# Altium PCB dvrk-s-pwm.PcbDoc (part 1 of 5)
Units mm, origin at the board's own origin, x right, y up, seen from the top; angles counter-clockwise.
Board outline 124 x 180 mm, 4 copper layers (Component Side, Ground Plane, Power Plane, Solder Side), stack 1.584 mm thick; 325 components, 238 nets, 1291 pads, 758 vias.
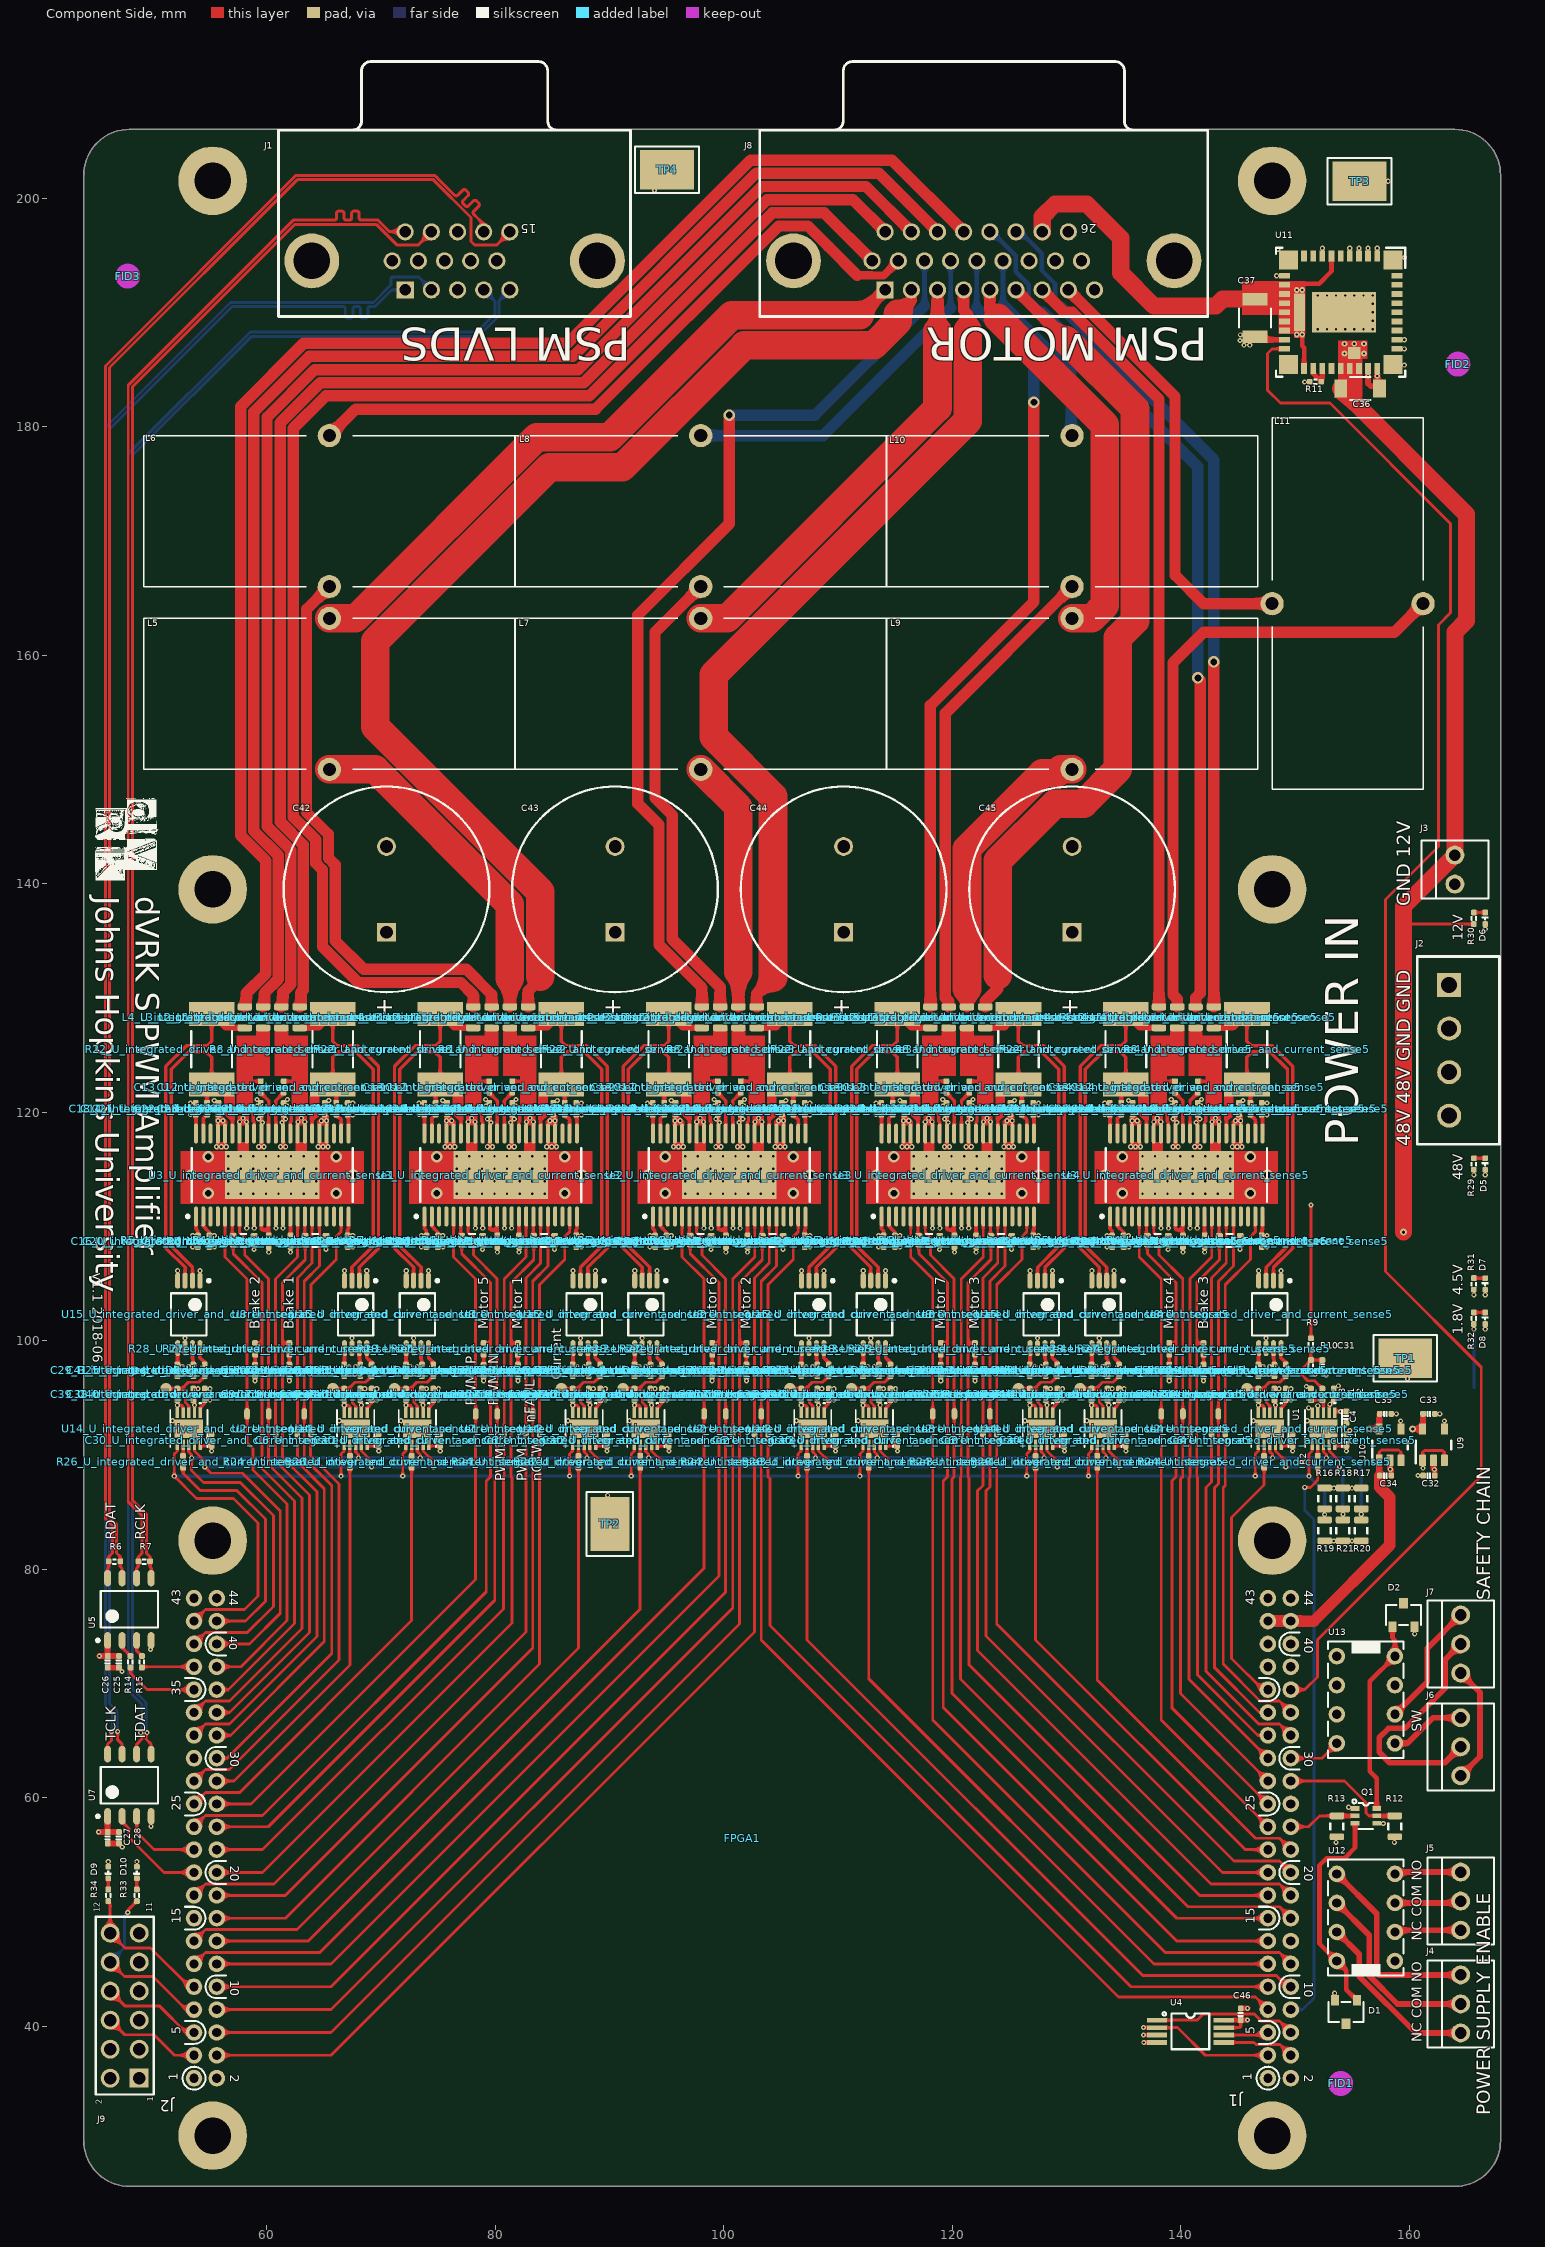
[diagram p0: Component Side view]
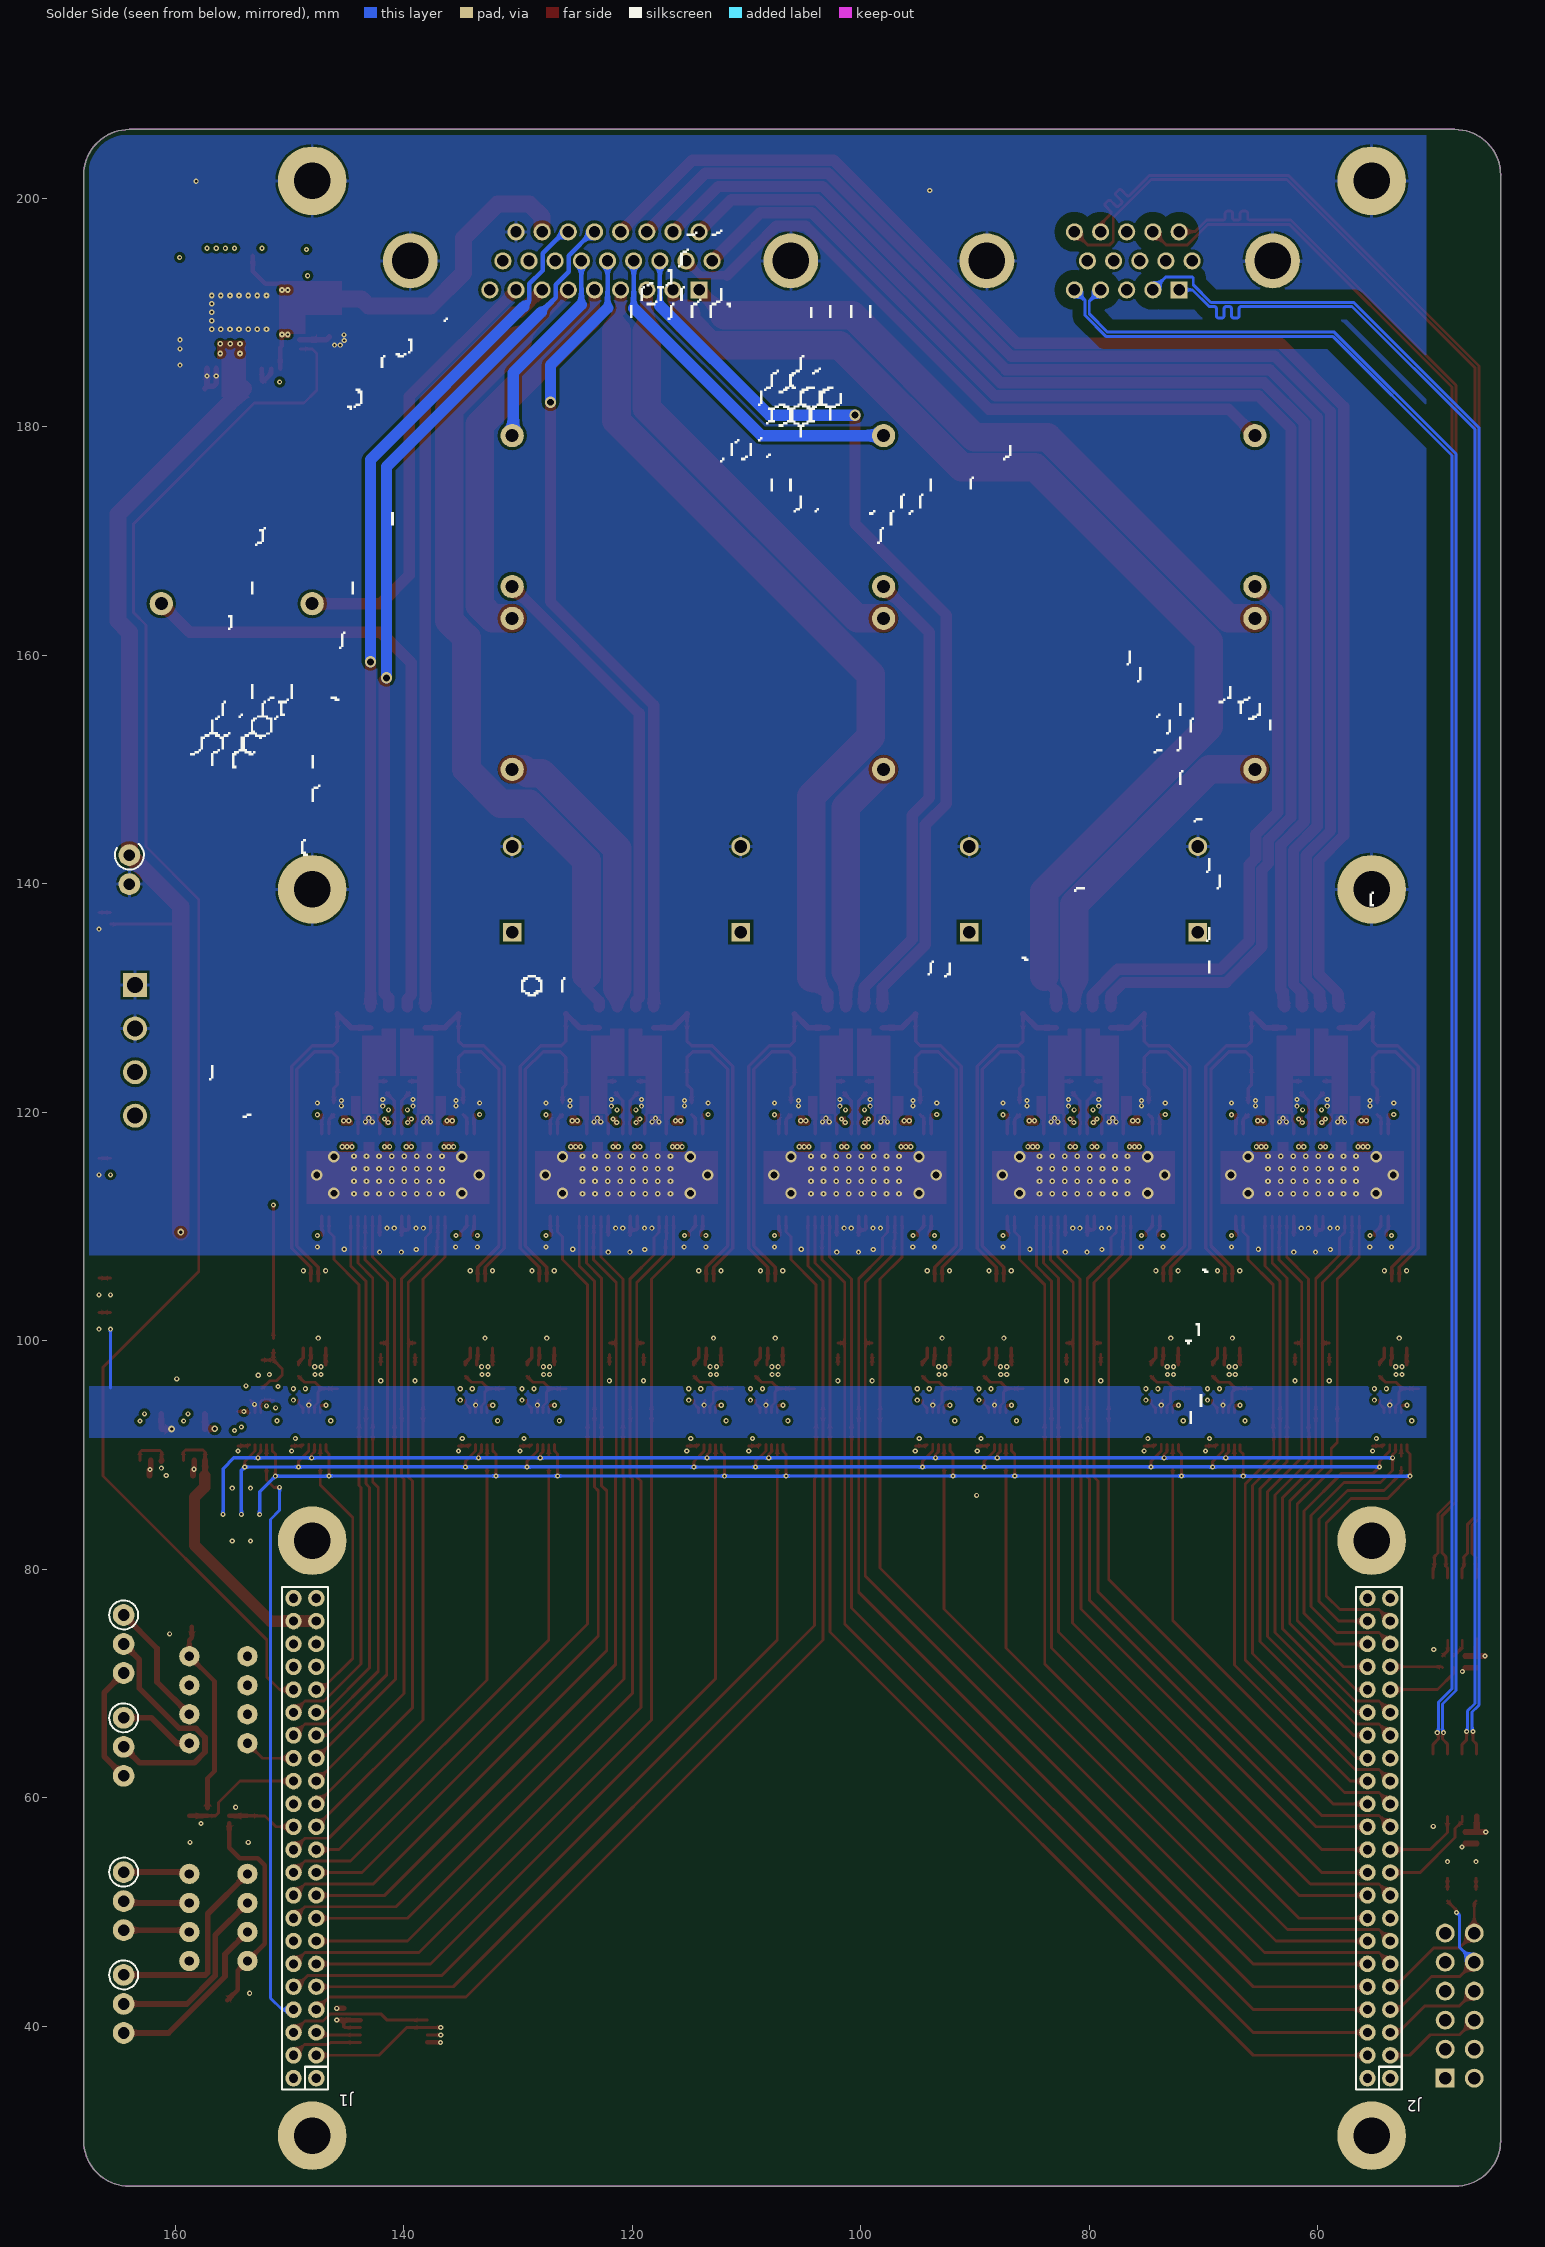
[diagram p1: Solder Side view, seen from below]
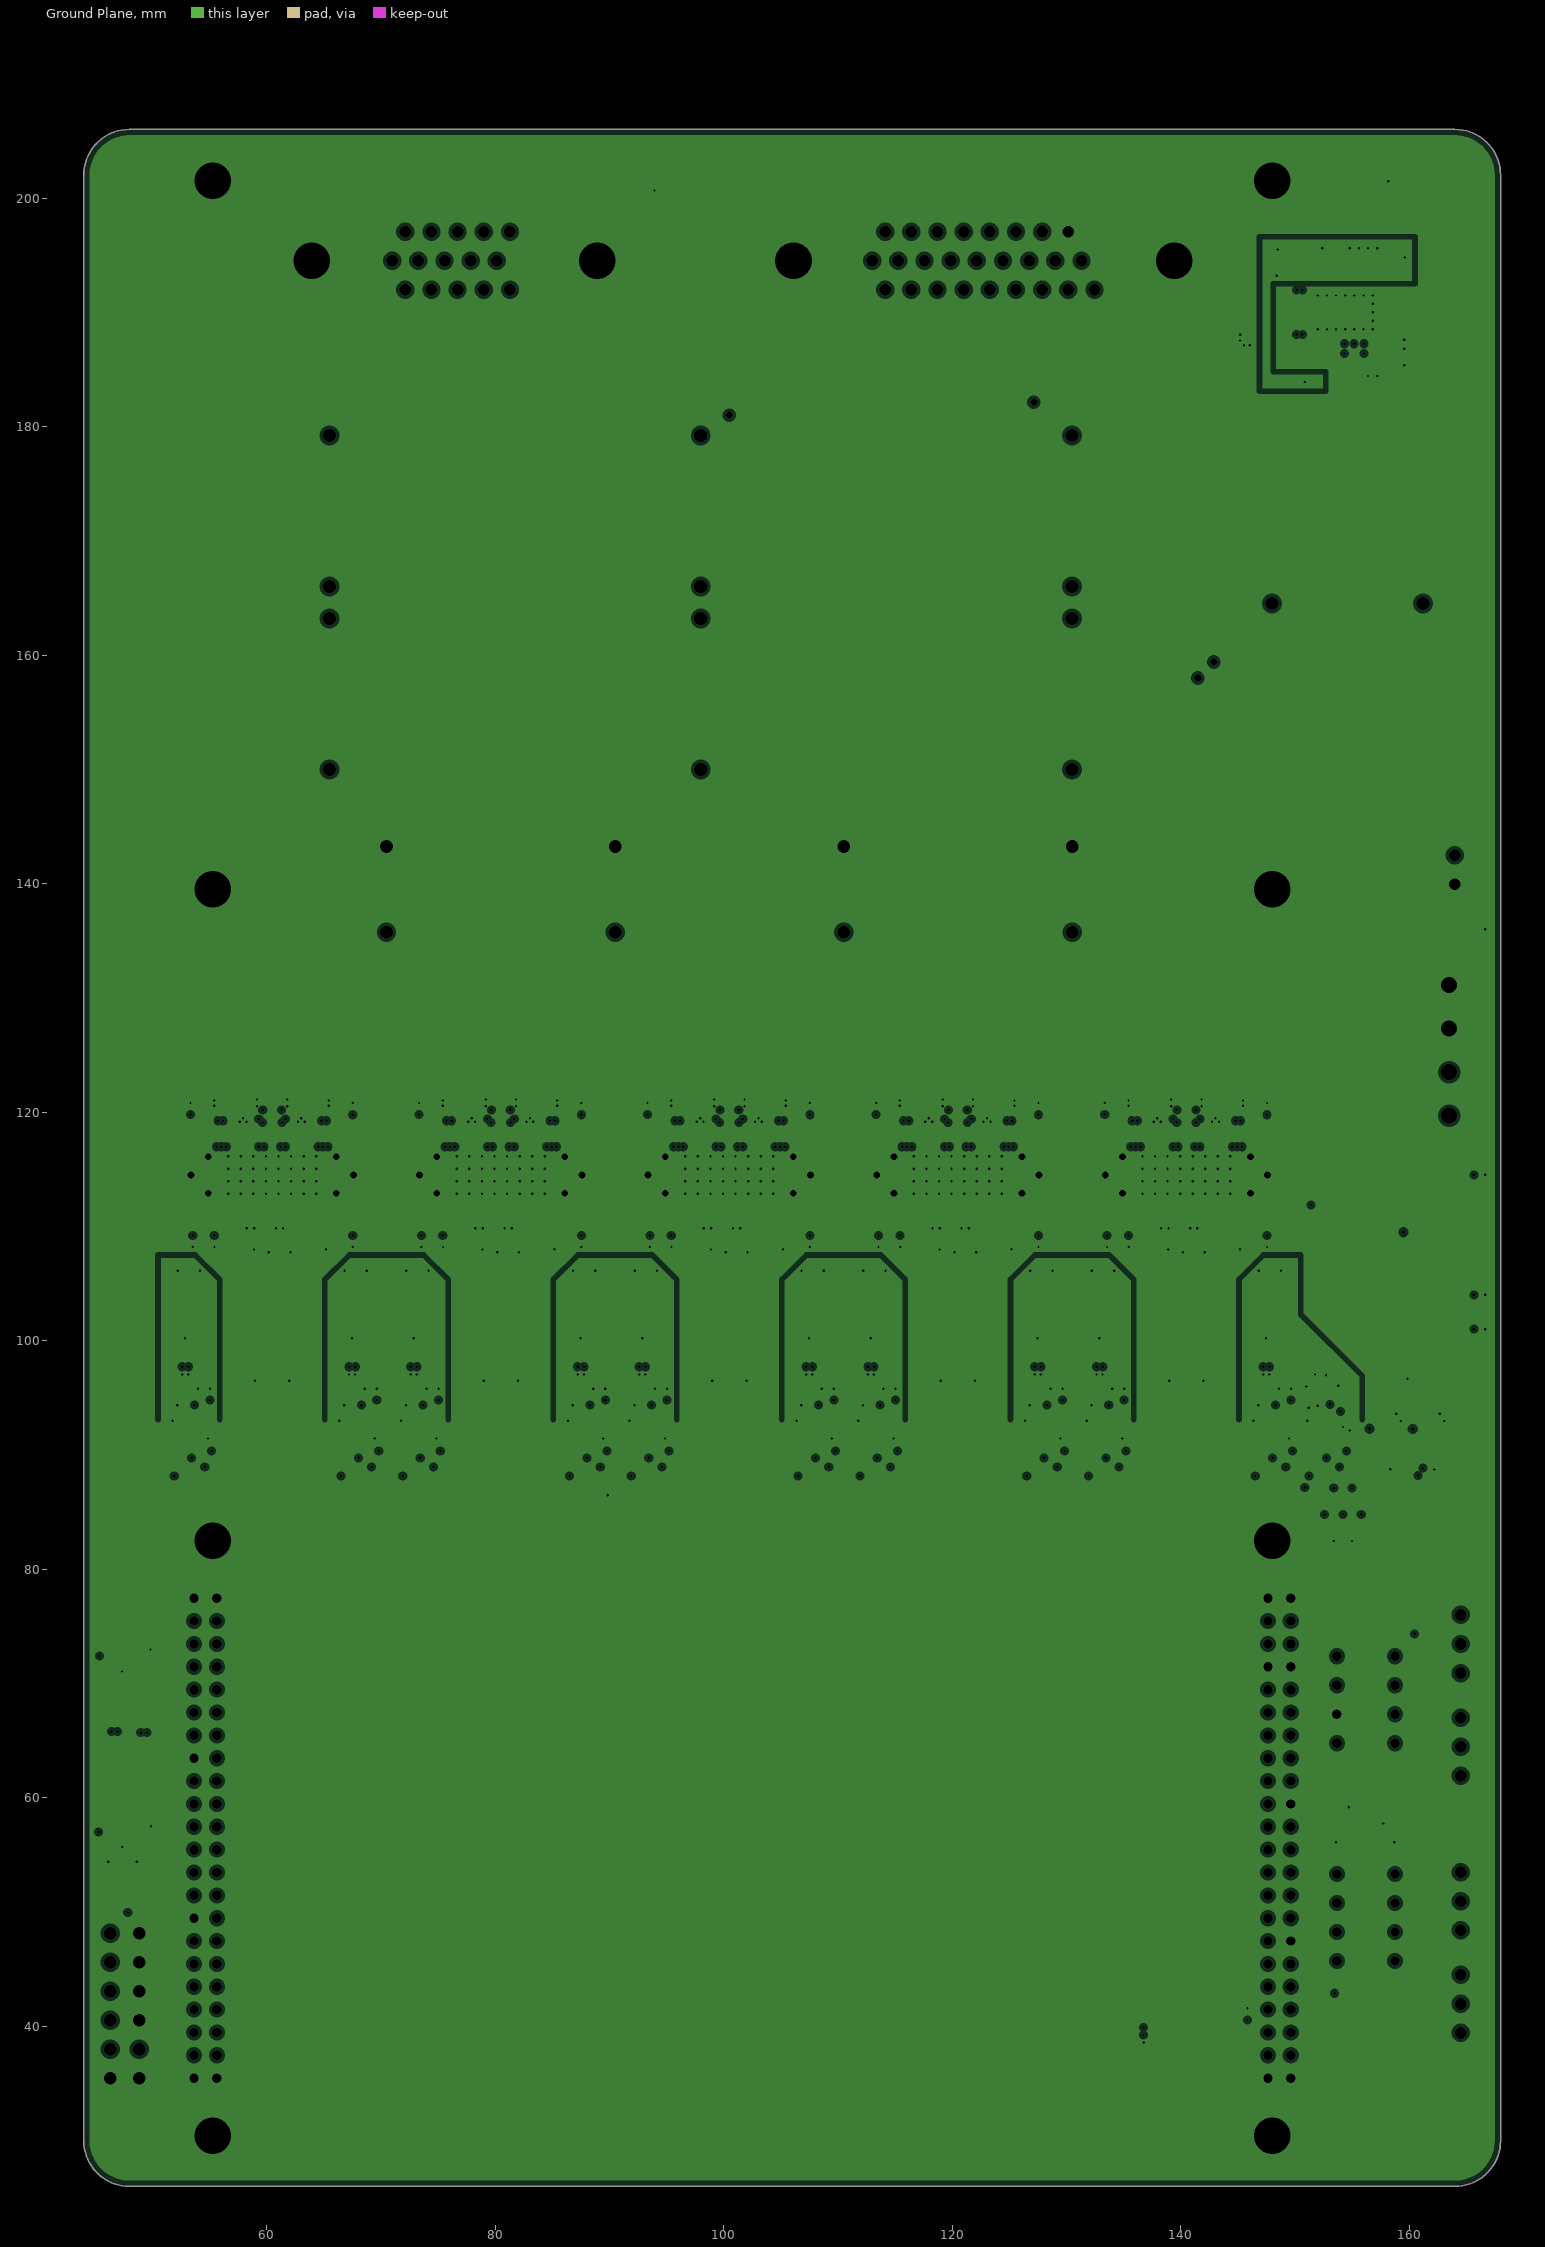
[diagram p2: Ground Plane, clearances drawn from the general rule]
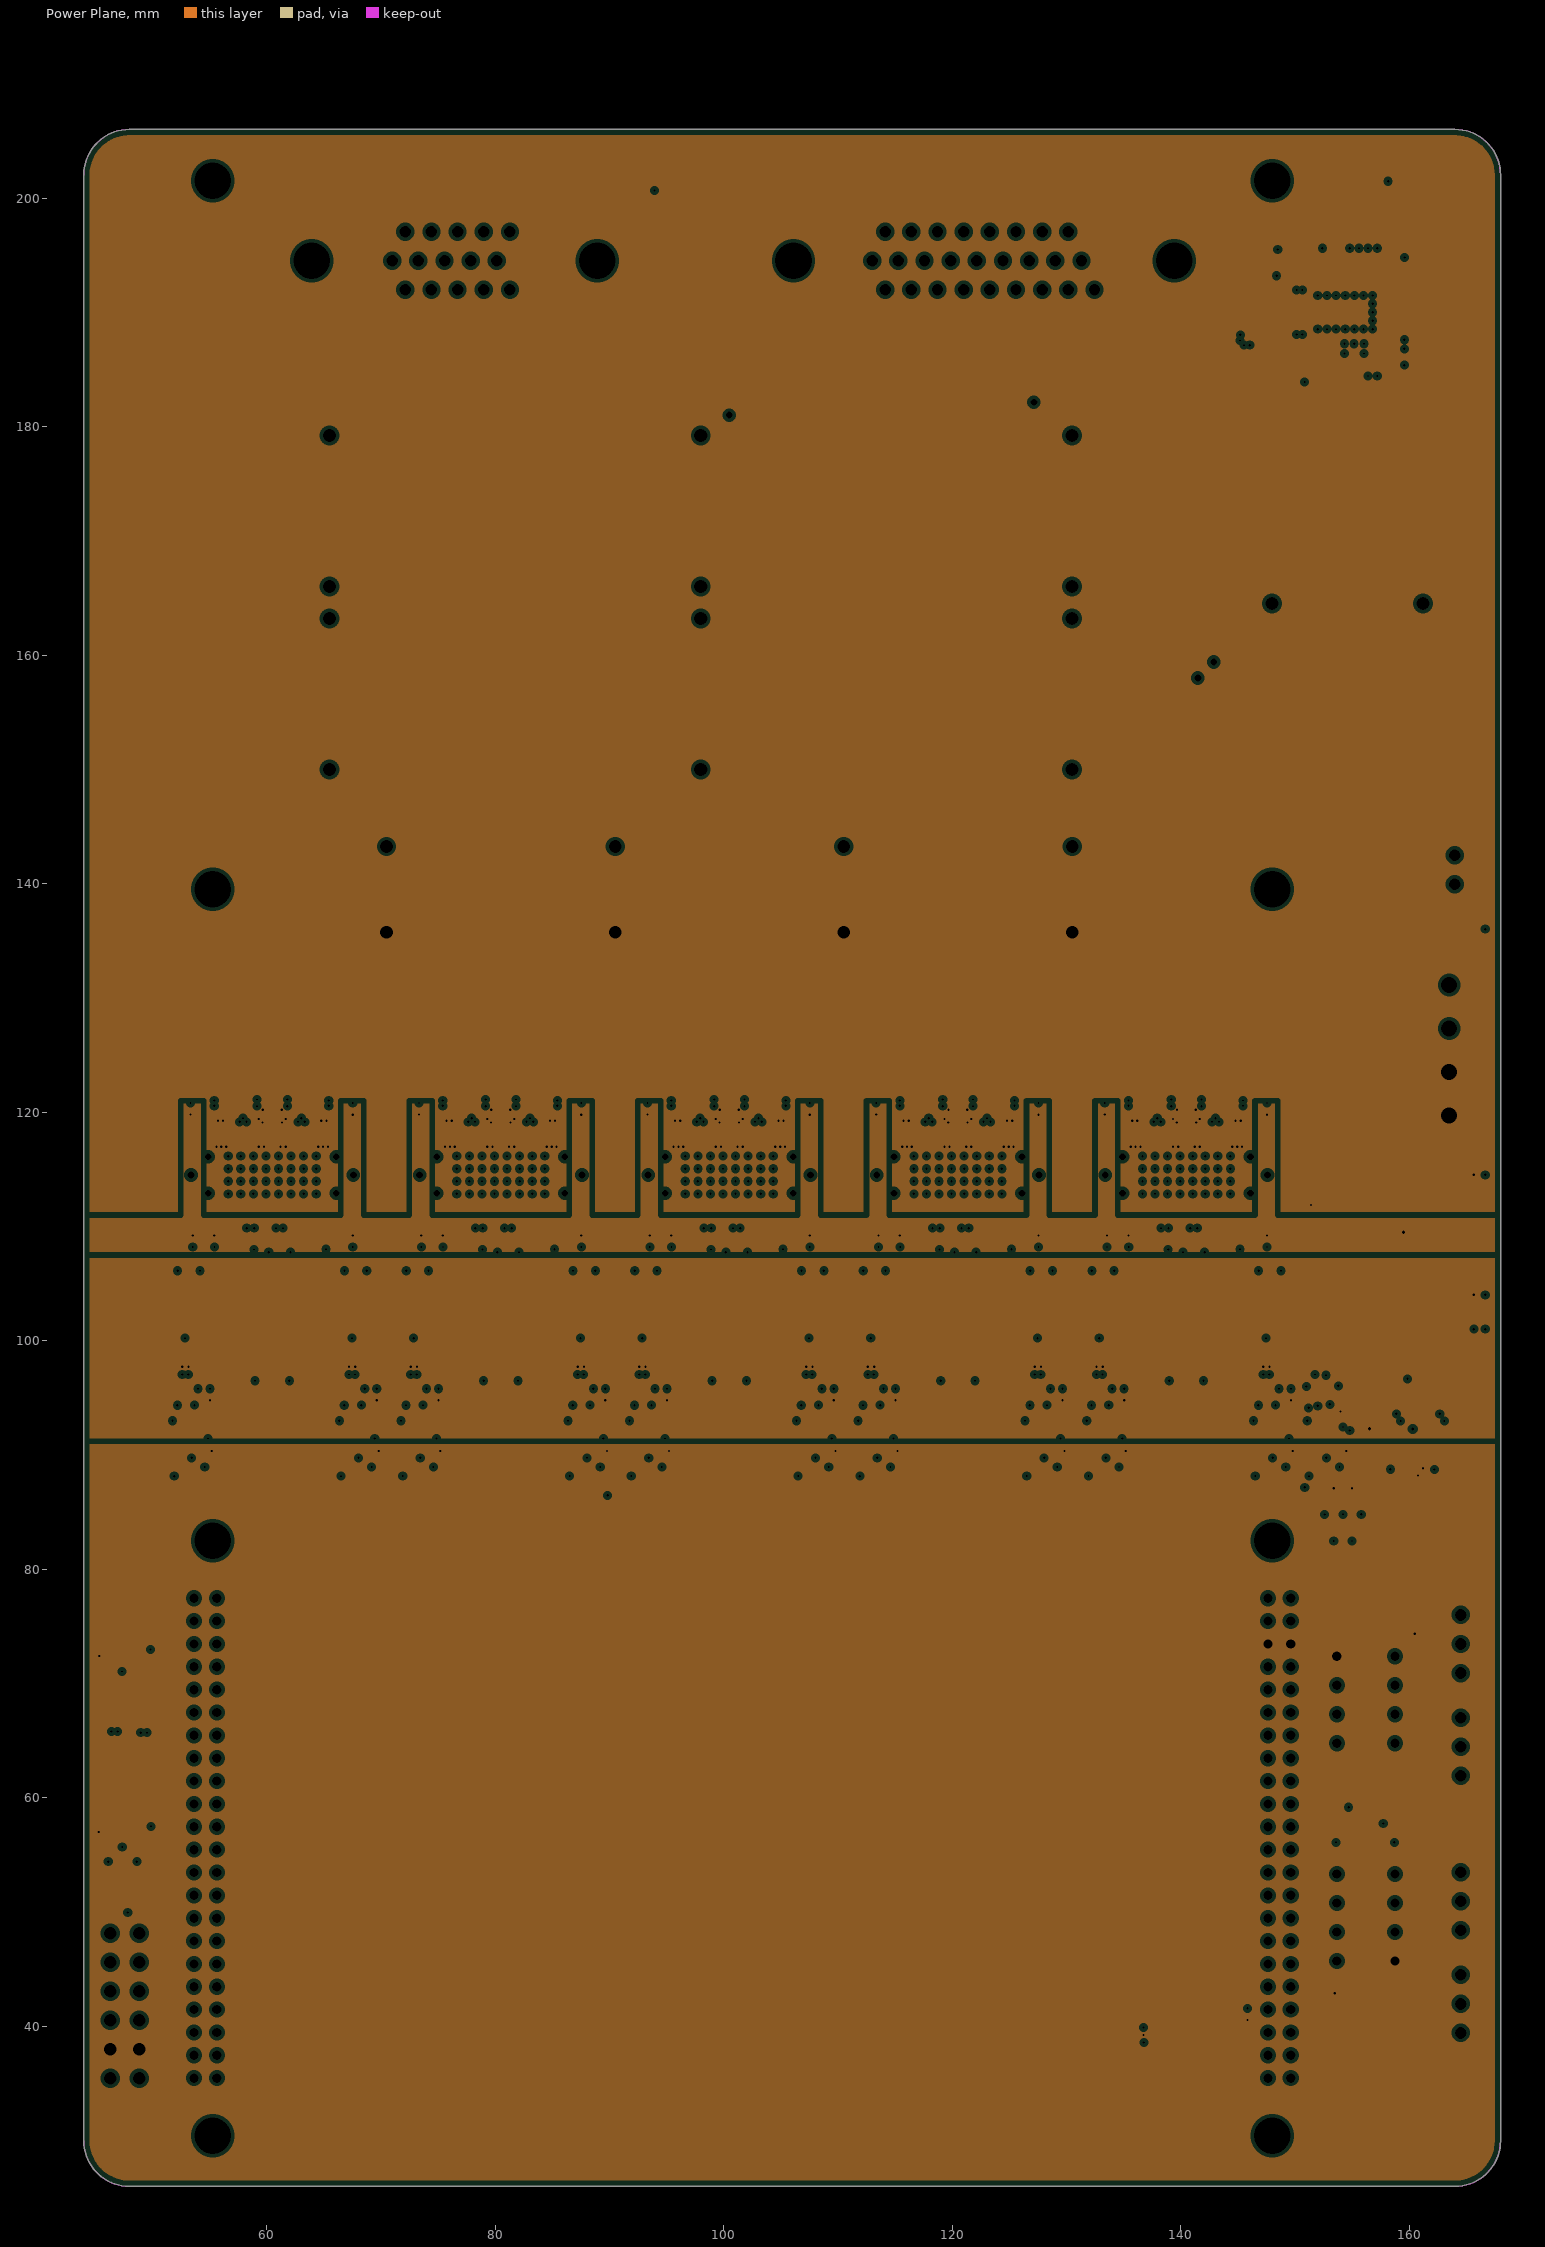
[diagram p3: Power Plane, clearances drawn from the general rule]

## Layer stack, top to bottom
Top Solder: solder mask 0.0102, Solder Resist, Dk 3.5
Component Side: signal copper 0.035
Dielectric 1: prepreg 0.18, FR-4, Dk 4.2
Ground Plane: plane copper 0.017, net (Multiple Nets)
Dielectric 3: core 1.12, Dk 4.2
Power Plane: plane copper 0.017, net (Multiple Nets)
Dielectric 4: prepreg 0.18, Dk 4.2
Solder Side: signal copper 0.035
Bottom Solder: solder mask 0.0102, Solder Resist, Dk 3.5

## Board outline
44,30 44,202 cw(c48,202) 48,206 164,206 cw(c164,202) 168,202 168,30 cw(c164,30) 164,26 48,26 cw(c48,30)

## Design rules (kind name [scope] priority, off if disabled: settings)
BoardOutlineClearance [InNetClass('All Nets')] p1: gap=0.381 ignorepadtopadclearanceinfootprint=FALSE
Clearance BoardEdge [All vs OnLayer('Keep-Out Layer')] p1: gap=0.4 ignorepadtopadclearanceinfootprint=FALSE
Clearance Clearance-polygon-control-impedance [InPolygon vs InNetClass('100ohm')] p2: gap=1 ignorepadtopadclearanceinfootprint=FALSE
Clearance Clearance-polygon [InPolygon] p3: gap=0.25 ignorepadtopadclearanceinfootprint=FALSE
Clearance [All] p4: gap=0.1 ignorepadtopadclearanceinfootprint=FALSE
ComponentClearance [InComponentClass('noclearancecheck')] p1: gap=-999 collisioncheckmode=3 verticalgap=2540 showdistances=FALSE
ComponentClearance ComponentClearance_4 [All] p2: gap=0.2 collisioncheckmode=3 verticalgap=0.2 showdistances=FALSE
DiffPairsRouting [All] p1: maxlimit=0.254 minlimit=0.1 mostfreqgap=0.1 toplayer_minwidth=0.26 toplayer_maxwidth=1 toplayer_prefwidth=0.26 bottomlayer_minwidth=0.26 bottomlayer_maxwidth=1 bottomlayer_prefwidth=0.26 maxuncoupledlength=12.7
Height [All] p1 off: minheight=0 maxheight=25.4 prefheight=12.7
HoleSize [All] p1: absolutevalues=TRUE maxlimit=6 minlimit=0.2 maxpercent=80.000 minpercent=20.000
HoleToHoleClearance [All] p1: gap=0.2 allowstackedmicrovias=TRUE
MatchedLengths [All] p1: tolerance=5 checknetsindiffpair=TRUE checkdiffpairvsdiffpair=FALSE checkxsignals=FALSE checkothers=FALSE
MinimumAnnularRing ignore [(HasFootprint('LMZ21701SIL') OR HasFootprint('m3 hole') OR HasFootprint('G3T-12AH'))] p1: minimumring=0
MinimumAnnularRing [All] p2: minimumring=0.08
MinimumSolderMaskSliver [All] p1: minsoldermaskwidth=0.076
NetAntennae [All] p1: netantennaetolerance=2
PlaneClearance [All] p1: clearance=0.3
PlaneConnect PlaneConnect_highcurrent [InComponent('J2') or InComponent('J3')] p1: pad.planeconnectstyle=Relief pad.reliefexpansion=0.508 pad.reliefentries=4 pad.reliefconductorwidth=0.4 pad.reliefairgap=0.254 via.planeconnectstyle=Direct via.reliefexpansion=0.508 via.reliefentries=4 via.reliefconductorwidth=0.254 via.reliefairgap=0.254
PlaneConnect [All] p2: pad.planeconnectstyle=Relief pad.reliefexpansion=0.508 pad.reliefentries=4 pad.reliefconductorwidth=0.254 pad.reliefairgap=0.254 via.planeconnectstyle=Direct via.reliefexpansion=0.508 via.reliefentries=4 via.reliefconductorwidth=0.254 via.reliefairgap=0.254
PolygonConnect PolygonConnect_bottomheat [InNamedPolygon('GND_BOTTOM_HEAT') vs WithinRoom('U_integrated_driver_and_current_sense1')] p1 off: thpad.connectstyle=NoConnect thpad.reliefconductorwidth=0.254 thpad.reliefentries=4 thpad.polygonreliefangle="90 Angle" thpad.airgapwidth=0.254 smdpad.connectstyle=NoConnect smdpad.reliefconductorwidth=0.254 smdpad.reliefentries=4 smdpad.polygonreliefangle="90 Angle" smdpad.airgapwidth=0.254 via.connectstyle=Direct via.reliefconductorwidth=0.254 via.reliefentries=4 via.polygonreliefangle="90 Angle" via.airgapwidth=0.254
PolygonConnect PolygonConnect_bottomheat_NC [InNamedPolygon('GND_BOTTOM_HEAT') vs InNet('GND')] p2 off: connectstyle=NoConnect reliefconductorwidth=0.254 reliefentries=4 polygonreliefangle="90 Angle" airgapwidth=0.254
PolygonConnect [All] p3: thpad.connectstyle=Relief thpad.reliefconductorwidth=0.3 thpad.reliefentries=4 thpad.polygonreliefangle="90 Angle" thpad.airgapwidth=0.2 smdpad.connectstyle=Relief smdpad.reliefconductorwidth=0.3 smdpad.reliefentries=4 smdpad.polygonreliefangle="90 Angle" smdpad.airgapwidth=0.2 via.connectstyle=Direct via.reliefconductorwidth=0.3 via.reliefentries=4 via.polygonreliefangle="45 Angle" via.airgapwidth=0.2
RoomDefinition U_relay [InComponentClass('U_relay')] p1: confinementstyle=ConfineIn formatcopy=TRUE lockcomponents=FALSE outline 152.4,36.83 168,36.83 168,78.74 152.4,78.74
RoomDefinition U_mv_adc [InComponentClass('U_mv_adc')] p2: confinementstyle=ConfineIn formatcopy=TRUE lockcomponents=FALSE outline 150.5,88.2 155.2,88.2 155.2,96.6 150.5,96.6
RoomDefinition U_integrated_driver_and_current_sense5 [InComponentClass('U_integrated_driver_and_current_sense5')] p3: confinementstyle=ConfineIn formatcopy=TRUE lockcomponents=FALSE outline 130.5,88 150.5,88 150.5,130 130.5,130
RoomDefinition U_integrated_driver_and_current_sense4 [InComponentClass('U_integrated_driver_and_current_sense4')] p4: confinementstyle=ConfineIn formatcopy=TRUE lockcomponents=FALSE outline 110.5,88 130.5,88 130.5,130 110.5,130
RoomDefinition U_integrated_driver_and_current_sense3 [InComponentClass('U_integrated_driver_and_current_sense3')] p5: confinementstyle=ConfineIn formatcopy=TRUE lockcomponents=FALSE outline 90.5,88 110.5,88 110.5,130 90.5,130
RoomDefinition U_integrated_driver_and_current_sense2 [InComponentClass('U_integrated_driver_and_current_sense2')] p6: confinementstyle=ConfineIn formatcopy=TRUE lockcomponents=FALSE outline 70.5,88 90.5,88 90.5,130 70.5,130
RoomDefinition U_integrated_driver_and_current_sense1 [InComponentClass('U_integrated_driver_and_current_sense1')] p7: confinementstyle=ConfineIn formatcopy=TRUE lockcomponents=FALSE outline 50.5,88 70.5,88 70.5,130 50.5,130
RoutingVias [All] p1: holewidth=0.3 width=0.61 viastyle="Through Hole" minholewidth=0.2 minwidth=0.45 maxholewidth=6 maxwidth=7.62 viatemplateguid#1={ECAECEE0-98E7-41BA-9EC3-9AF7EEB56C01} viatemplatename#1=signal
SilkToSilkClearance [All] p1 off: silktosilkclearance=0
SilkToSolderMaskClearance SilkToSolderMaskClearance_1 [HasFootprint('PAD-JUMPER-2-NO_YES_SILK')] p1: minsilkscreentomaskgap=0 clearancetoexposedcopper=TRUE
SilkToSolderMaskClearance [IsPad] p2: minsilkscreentomaskgap=0.1 clearancetoexposedcopper=TRUE
SolderMaskExpansion SolderMaskExpansion_small_pitch [HasFootprint('CP_10_9')] p1: expansion=0.02 istentingtop=FALSE
SolderMaskExpansion [All] p2: expansion=0.051 istentingtop=FALSE
Width Width_1 [InNetClass('100ohm')] p1 off: maxlimit=0.044 minlimit=0.004 preferedwidth=0.021 minimp=90.000000 maximp=110.000000 favimp=100.000000
Width [All] p2: maxlimit=25.375 minlimit=0.152 preferedwidth=0.3
19 further rules are at their usual default settings.
